# Altium PCB GE21_M1_pku_f100.PcbDoc (part 16 of 19) (continued)
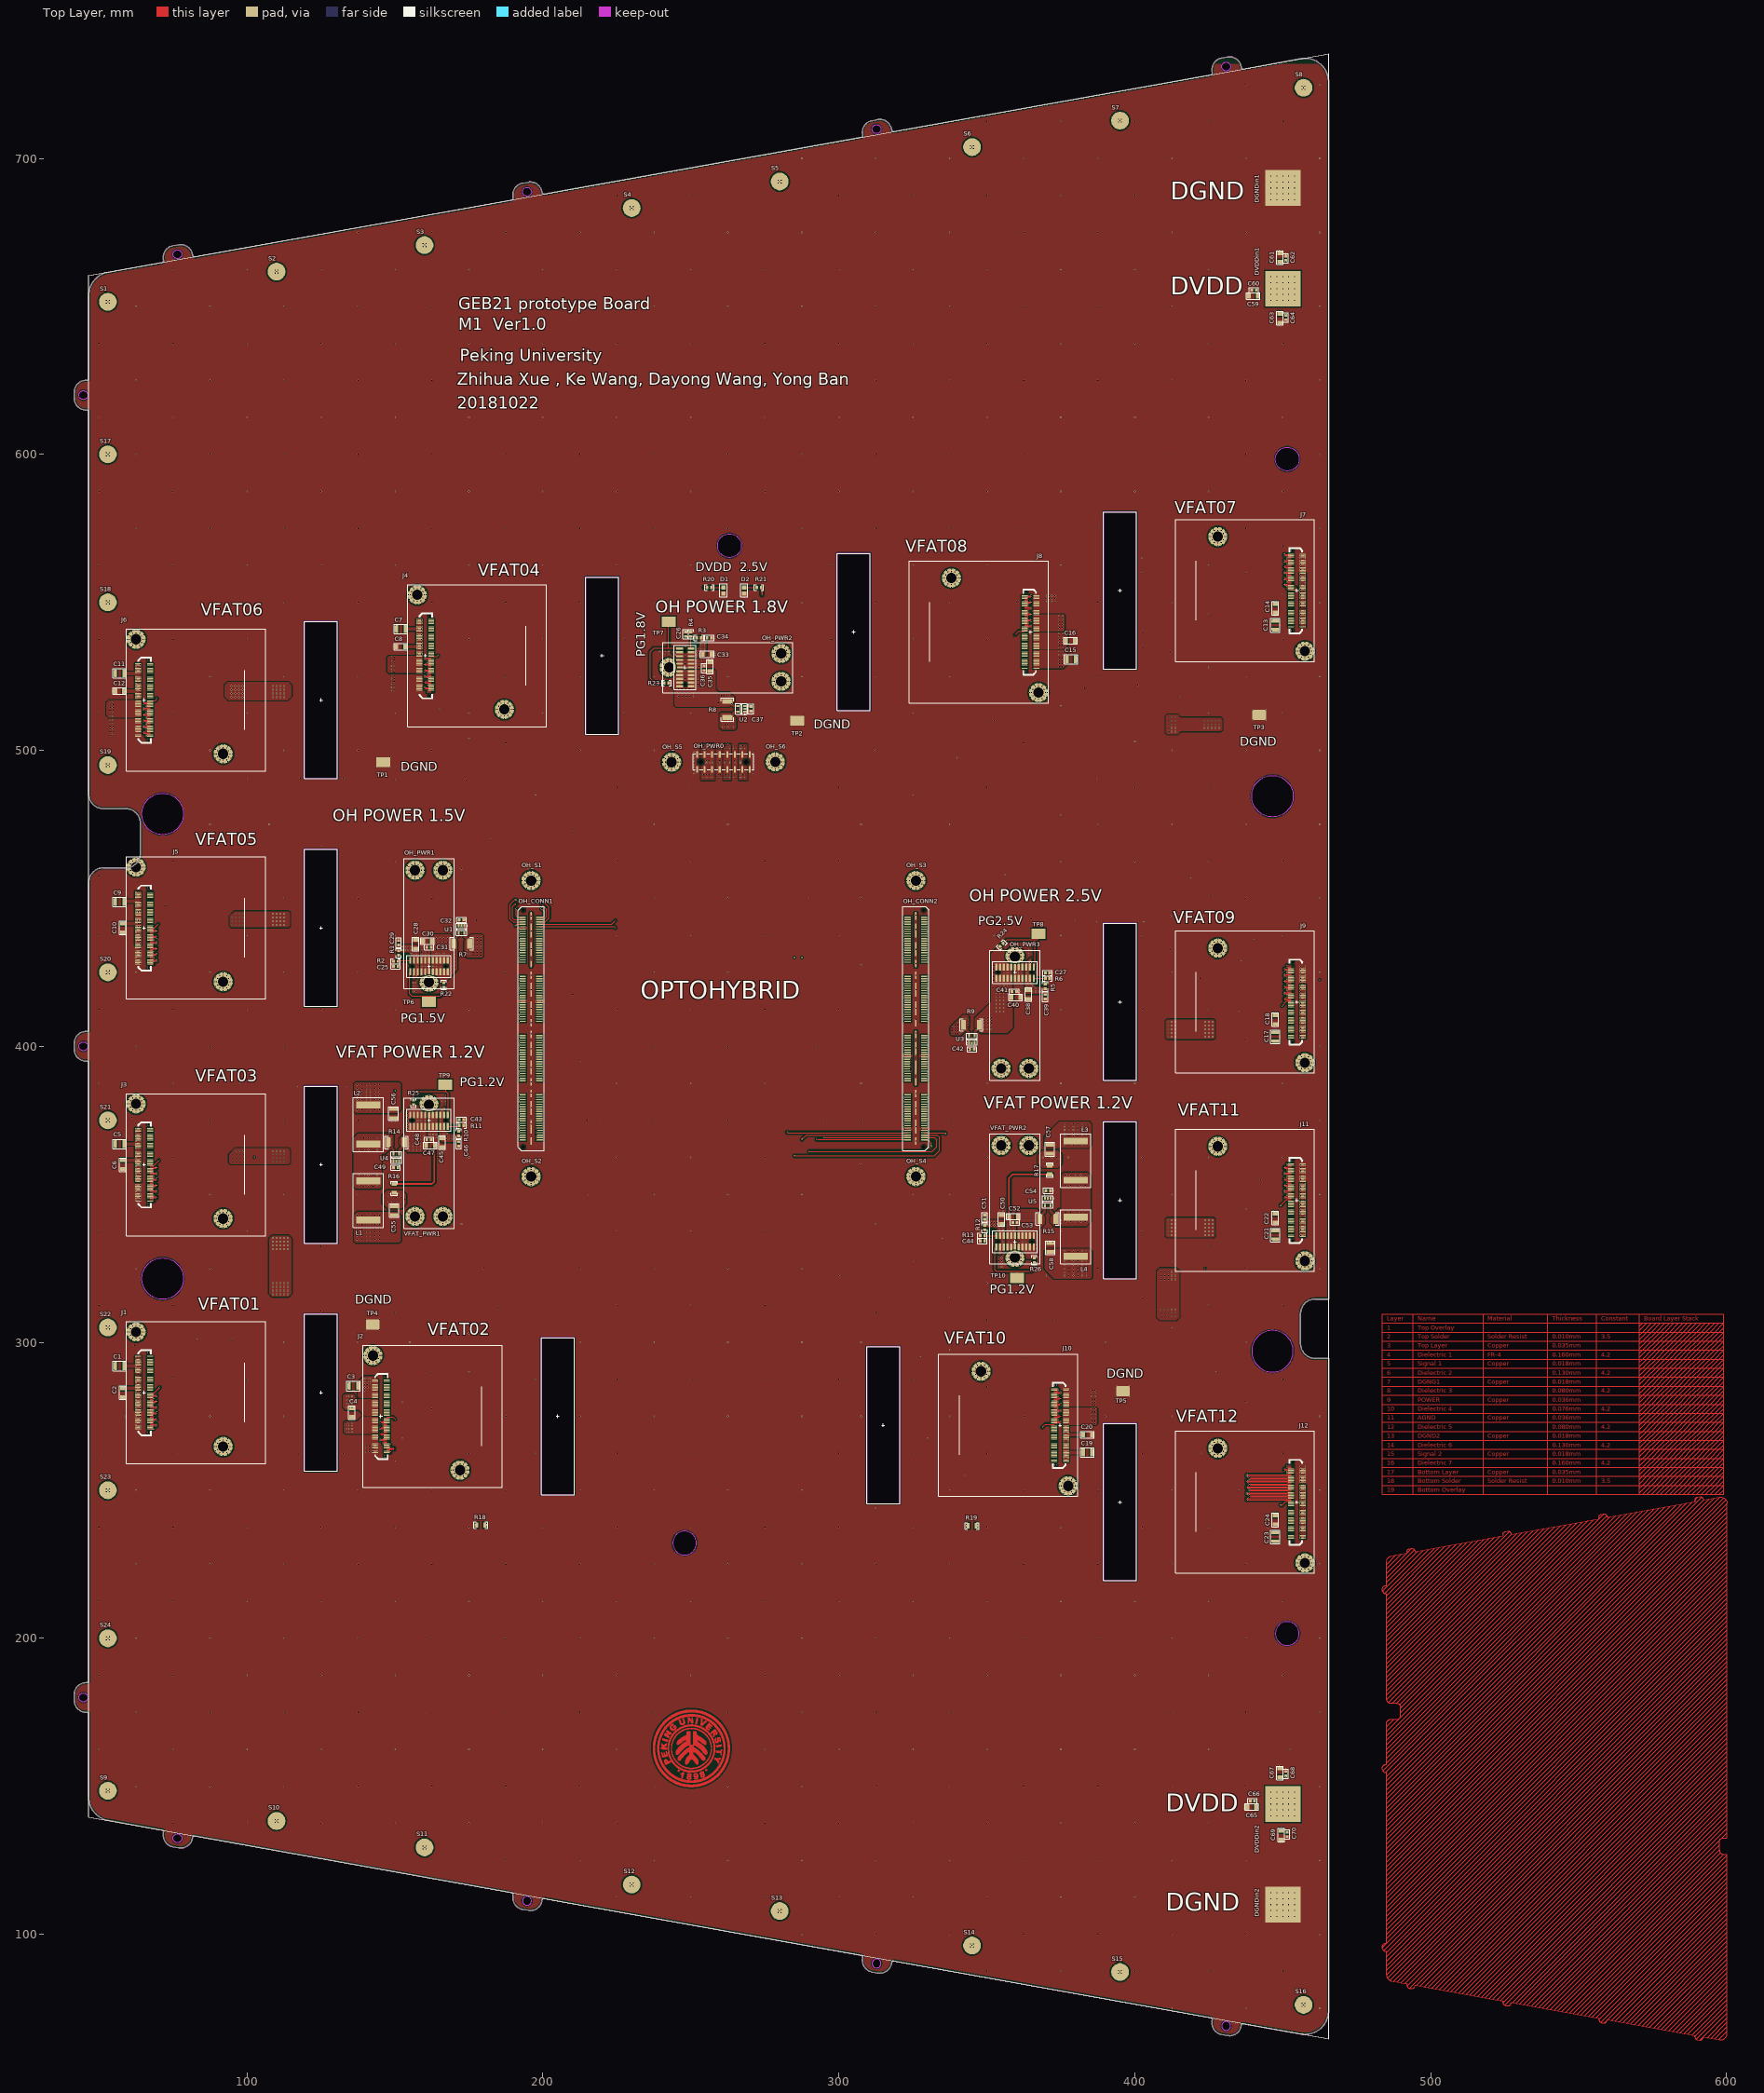
[diagram p0: Top Layer view]
## Nets (pads, with @x,y where several pads share a name; then routed paths per layer and width w, separated by ;. In a path a pad name is that pad's centre, name@x,y a point inside that pad or via, vN(x,y) a via of type N, cw(c..) or ccw(c..) an arc to the next point about the centre after c; other vN are vias at no path point) (continued)
258.942,167.835 ; 257.697,168.14 258.027,168.14 ; 257.697,168.952 258.408,168.952 ; 257.697,170.73 258.561,170.73 ; 257.697,172.585 258.764,172.585 ; 257.722,154.982 258.586,154.982 ; 257.722,161.993 258.129,161.993 ; 257.722,162.018 258.129,162.018 ; 257.722,162.044 258.154,162.044 ; 257.722,162.069 258.154,162.069 ; 257.722,162.094 258.154,162.094 ; 257.722,162.12 258.154,162.12 ; 257.722,162.145 258.154,162.145 ; 257.722,162.171 258.154,162.171 ; 257.722,162.196 258.154,162.196 ; 257.722,163.466 258.154,163.466 ; 257.722,163.491 258.154,163.491 ; 257.722,163.517 258.154,163.517 ; 257.722,163.542 258.154,163.542 ; 257.722,163.568 258.154,163.568 ; 257.722,163.593 258.154,163.593 ; 257.722,163.618 258.154,163.618 ; 257.722,163.644 258.154,163.644 ; 257.722,163.669 258.129,163.669 ; 257.722,163.695 258.129,163.695 ; 257.722,167.86 258.967,167.86 ; 257.722,167.886 258.967,167.886 ; 257.722,167.911 258.967,167.911 ; 257.722,167.936 258.992,167.936 ; 257.722,167.962 258.281,167.962 ; 257.722,167.987 258.23,167.987 ; 257.722,168.089 258.078,168.089 ; 257.722,168.114 258.078,168.114 ; 257.722,168.978 258.408,168.978 ; 257.722,170.705 258.586,170.705 ; 257.748,153.128 258.815,153.128 ; 257.748,155.008 258.611,155.008 ; 257.748,162.221 258.154,162.221 ; 257.748,162.247 258.154,162.247 ; 257.748,162.272 258.154,162.272 ; 257.748,162.298 258.154,162.298 ; 257.748,162.323 258.154,162.323 ; 257.748,162.348 258.154,162.348 ; 257.748,162.374 258.18,162.374 ; 257.748,162.399 258.18,162.399 ; 257.748,162.425 258.18,162.425 ; 257.748,162.45 258.18,162.45 ; 257.748,162.475 258.18,162.475 ; 257.748,162.501 258.18,162.501 ; 257.748,162.526 258.18,162.526 ; 257.748,162.552 258.18,162.552 ; 257.748,162.577 258.18,162.577 ; 257.748,162.602 258.18,162.602 ; 257.748,162.628 258.18,162.628 ; 257.748,162.653 258.18,162.653 ; 257.748,162.679 258.18,162.679 ; 257.748,162.704 258.18,162.704 ; 257.748,162.729 258.18,162.729 ; 257.748,162.755 258.18,162.755 ; 257.748,162.78 258.18,162.78 ; 257.748,162.806 258.18,162.806 ; 257.748,162.831 258.18,162.831 ; 257.748,162.856 258.18,162.856 ; 257.748,162.882 258.18,162.882 ; 257.748,162.907 258.18,162.907 ; 257.748,162.933 258.18,162.933 ; 257.748,162.958 258.18,162.958 ; 257.748,162.983 258.18,162.983 ; 257.748,163.009 258.18,163.009 ; 257.748,163.034 258.18,163.034 ; 257.748,163.06 258.18,163.06 ; 257.748,163.085 258.18,163.085 ; 257.748,163.11 258.18,163.11 ; 257.748,163.136 258.18,163.136 ; 257.748,163.161 258.18,163.161 ; 257.748,163.187 258.18,163.187 ; 257.748,163.212 258.18,163.212 ; 257.748,163.237 258.18,163.237 ; 257.748,163.263 258.18,163.263 ; 257.748,163.288 258.18,163.288 ; 257.748,163.314 258.18,163.314 ; 257.748,163.339 258.154,163.339 ; 257.748,163.364 258.154,163.364 ; 257.748,163.39 258.154,163.39 ; 257.748,163.415 258.154,163.415 ; 257.748,163.441 258.154,163.441 ; 257.748,168.013 258.18,168.013 ; 257.748,168.038 258.129,168.038 ; 257.748,168.063 258.103,168.063 ; 257.748,170.68 258.611,170.68 ; 257.748,172.559 258.815,172.559 ; 257.773,153.154 258.84,153.154 ; 257.773,155.033 258.637,155.033 ; 257.773,169.003 258.383,169.003 ; 257.773,170.654 258.637,170.654 ; 257.773,172.534 258.84,172.534 ; 257.799,153.179 258.865,153.179 ; 257.799,155.059 258.637,155.059 ; 257.799,169.029 258.357,169.029 ; 257.799,170.629 258.637,170.629 ; 257.799,172.508 258.865,172.508 ; 257.824,153.204 258.891,153.204 ; 257.824,155.084 258.662,155.084 ; 257.824,169.054 258.332,169.054 ; 257.824,170.603 258.662,170.603 ; 257.849,155.109 258.688,155.109 ; 257.849,170.578 258.688,170.578 ; 257.849,172.483 258.891,172.483 ; 257.875,153.23 258.916,153.23 ; 257.875,155.135 258.713,155.135 ; 257.875,169.079 258.307,169.079 ; 257.875,172.458 258.916,172.458 ; 257.9,153.255 258.942,153.255 ; 257.9,169.105 258.307,169.105 ; 257.9,170.527 258.738,170.527 ; 257.9,170.553 258.713,170.553 ; 257.9,172.432 258.942,172.432 ; 257.926,153.281 258.967,153.281 ; 257.926,155.16 258.738,155.16 ; 257.926,155.186 258.764,155.186 ; 257.926,169.13 258.281,169.13 ; 257.926,170.502 258.764,170.502 ; 257.926,172.407 258.967,172.407 ; 257.951,153.306 258.992,153.306 ; 257.951,155.211 258.789,155.211 ; 257.951,159.275 259.932,159.275 ; 257.951,159.3 259.958,159.3 ; 257.951,159.326 259.958,159.326 ; 257.951,159.351 259.983,159.351 ; 257.951,170.476 258.789,170.476 ; 257.976,155.236 258.815,155.236 ; 257.976,159.25 259.932,159.25 ; 257.976,159.377 259.983,159.377 ; 257.976,159.402 258.789,159.402 ; 257.976,169.156 258.256,169.156 ; 257.976,170.451 258.815,170.451 ; 257.976,172.381 258.992,172.381 ; 258.002,153.331 259.043,153.331 ; 258.002,155.262 258.84,155.262 ; 258.002,159.224 259.907,159.224 ; 258.002,159.427 258.764,159.427 ; 258.002,159.453 258.688,159.453 ; 258.002,159.478 258.586,159.478 ; 258.002,159.504 258.51,159.504 ; 258.002,169.181 258.23,169.181 ; 258.002,170.426 258.84,170.426 ; 258.002,172.356 259.043,172.356 ; 258.027,153.357 259.069,153.357 ; 258.027,155.287 258.865,155.287 ; 258.027,159.199 259.881,159.199 ; 258.027,159.529 258.459,159.529 ; 258.027,159.554 258.434,159.554 ; 258.027,159.58 258.408,159.58 ; 258.027,159.605 258.281,159.605 ; 258.027,169.206 258.205,169.206 ; 258.027,170.4 258.865,170.4 ; 258.027,172.331 259.069,172.331 ; 258.053,153.382 259.094,153.382 ; 258.053,155.313 258.865,155.313 ; 258.053,159.631 258.23,159.631 ; 258.053,170.375 258.865,170.375 ; 258.053,172.305 259.094,172.305 ; 258.078,153.408 259.119,153.408 ; 258.078,155.338 258.891,155.338 ; 258.078,159.173 259.881,159.173 ; 258.078,159.656 258.205,159.656 ; 258.078,165.752 258.408,165.752 ; 258.078,165.777 258.434,165.777 ; 258.078,165.803 258.459,165.803 ; 258.078,165.828 258.484,165.828 ; 258.078,165.854 258.51,165.854 ; 258.078,165.879 258.561,165.879 ; 258.078,165.904 258.586,165.904 ; 258.078,165.93 258.586,165.93 ; 258.078,169.232 258.205,169.232 ; 258.078,170.349 258.891,170.349 ; 258.078,172.28 259.119,172.28 ; 258.103,153.433 259.145,153.433 ; 258.103,155.363 258.916,155.363 ; 258.103,159.148 259.856,159.148 ; 258.103,165.574 258.332,165.574 ; 258.103,165.6 258.332,165.6 ; 258.103,165.625 258.357,165.625 ; 258.103,165.65 258.357,165.65 ; 258.103,165.676 258.357,165.676 ; 258.103,165.701 258.383,165.701 ; 258.103,165.727 258.383,165.727 ; 258.103,165.955 258.586,165.955 ; 258.103,165.981 258.561,165.981 ; 258.103,166.006 258.561,166.006 ; 258.103,170.324 258.916,170.324 ; 258.129,155.389 258.942,155.389 ; 258.129,165.422 258.383,165.422 ; 258.129,165.447 258.383,165.447 ; 258.129,165.473 258.357,165.473 ; 258.129,165.498 258.357,165.498 ; 258.129,165.523 258.357,165.523 ; 258.129,165.549 258.332,165.549 ; 258.129,166.031 258.535,166.031 ; 258.129,166.057 258.535,166.057 ; 258.129,170.299 258.942,170.299 ; 258.129,172.254 259.145,172.254 ; 258.154,153.458 259.17,153.458 ; 258.154,155.414 258.967,155.414 ; 258.154,165.32 258.459,165.32 ; 258.154,165.346 258.434,165.346 ; 258.154,165.371 258.434,165.371 ; 258.154,165.396 258.408,165.396 ; 258.154,166.082 258.51,166.082 ; 258.154,166.108 258.484,166.108 ; 258.154,170.273 258.967,170.273 ; 258.154,172.229 259.17,172.229 ; 258.18,153.484 259.196,153.484 ; 258.18,155.44 258.992,155.44 ; 258.18,159.123 259.577,159.123 ; 258.18,165.244 258.51,165.244 ; 258.18,165.269 258.51,165.269 ; 258.18,165.295 258.484,165.295 ; 258.18,166.133 258.484,166.133 ; 258.18,166.158 258.459,166.158 ; 258.18,170.248 258.992,170.248 ; 258.18,172.204 259.196,172.204 ; 258.205,153.509 259.221,153.509 ; 258.205,155.465 258.992,155.465 ; 258.205,165.193 258.586,165.193 ; 258.205,165.219 258.535,165.219 ; 258.205,166.184 258.459,166.184 ; 258.205,167.581 258.713,167.581 ; 258.205,170.222 258.992,170.222 ; 258.205,172.178 259.221,172.178 ; 258.23,153.535 259.246,153.535 ; 258.23,155.49 259.018,155.49 ; 258.23,165.142 259.323,165.142 ; 258.23,165.168 258.611,165.168 ; 258.23,166.209 258.459,166.209 ; 258.23,166.235 258.459,166.235 ; 258.23,170.197 259.018,170.197 ; 258.23,172.153 259.246,172.153 ; 258.256,153.56 259.272,153.56 ; 258.256,155.516 259.043,155.516 ; 258.256,159.097 259.424,159.097 ; 258.256,165.092 259.323,165.092 ; 258.256,165.117 259.323,165.117 ; 258.256,166.26 258.459,166.26 ; 258.256,170.172 259.043,170.172 ; 258.256,172.127 259.272,172.127 ; 258.281,153.585 259.297,153.585 ; 258.281,155.541 259.069,155.541 ; 258.281,165.041 259.297,165.041 ; 258.281,165.066 259.297,165.066 ; 258.281,166.285 258.459,166.285 ; 258.281,167.555 258.688,167.555 ; 258.281,168.622 258.662,168.622 ; 258.281,170.146 259.069,170.146 ; 258.281,172.102 259.297,172.102 ; 258.307,153.611 259.323,153.611 ; 258.307,155.567 259.094,155.567 ; 258.307,155.592 259.119,155.592 ; 258.307,165.015 259.272,165.015 ; 258.307,166.311 258.434,166.311 ; 258.307,168.597 258.662,168.597 ; 258.307,170.095 259.119,170.095 ; 258.307,170.121 259.094,170.121 ; 258.307,172.077 259.323,172.077 ; 258.332,155.617 259.119,155.617 ; 258.332,164.99 259.272,164.99 ; 258.332,166.336 258.383,166.336 ; 258.332,167.962 258.992,167.962 ; 258.332,168.546 258.688,168.546 ; 258.332,168.571 258.688,168.571 ; 258.332,170.07 259.119,170.07 ; 258.357,153.636 259.348,153.636 ; 258.357,155.643 259.145,155.643 ; 258.357,159.072 259.348,159.072 ; 258.357,164.939 259.221,164.939 ; 258.357,164.965 259.246,164.965 ; 258.357,168.521 258.713,168.521 ; 258.357,170.045 259.145,170.045 ; 258.357,172.051 259.348,172.051 ; 258.383,153.662 259.373,153.662 ; 258.383,155.668 259.17,155.668 ; 258.383,167.53 258.637,167.53 ; 258.383,167.987 258.992,167.987 ; 258.383,168.444 258.764,168.444 ; 258.383,168.47 258.764,168.47 ; 258.383,168.495 258.738,168.495 ; 258.383,170.019 259.17,170.019 ; 258.383,172.026 259.373,172.026 ; 258.408,153.687 259.399,153.687 ; 258.408,155.694 259.196,155.694 ; 258.408,159.046 259.272,159.046 ; 258.408,164.914 259.221,164.914 ; 258.408,168.013 258.992,168.013 ; 258.408,168.419 258.789,168.419 ; 258.408,169.994 259.196,169.994 ; 258.408,172 259.399,172 ; 258.434,153.712 259.424,153.712 ; 258.434,155.719 259.221,155.719 ; 258.434,164.888 259.196,164.888 ; 258.434,168.038 258.992,168.038 ; 258.434,168.394 258.789,168.394 ; 258.434,169.968 259.221,169.968 ; 258.434,171.975 259.424,171.975 ; 258.459,153.738 259.45,153.738 ; 258.459,155.744 259.221,155.744 ; 258.459,159.021 259.221,159.021 ; 258.459,164.863 259.17,164.863 ; 258.459,168.063 258.992,168.063 ; 258.459,168.368 258.815,168.368 ; 258.459,169.943 259.221,169.943 ; 258.459,171.95 259.45,171.95 ; 258.484,153.763 259.475,153.763 ; 258.484,155.77 259.246,155.77 ; 258.484,155.795 259.272,155.795 ; 258.484,164.838 259.145,164.838 ; 258.484,168.089 258.967,168.089 ; 258.484,168.114 258.967,168.114 ; 258.484,168.343 258.84,168.343 ; 258.484,169.892 259.272,169.892 ; 258.484,169.918 259.246,169.918 ; 258.484,171.924 259.475,171.924 ; 258.51,153.789 259.5,153.789 ; 258.51,155.821 259.297,155.821 ; 258.51,158.996 259.196,158.996 ; 258.51,163.669 260.44,163.669 ; 258.51,163.695 260.44,163.695 ; 258.51,163.72 260.415,163.72 ; 258.51,163.745 260.415,163.745 ; 258.51,168.14 258.967,168.14 ; 258.51,168.165 258.942,168.165 ; 258.51,168.19 258.942,168.19 ; 258.51,168.216 258.916,168.216 ; 258.51,168.241 258.891,168.241 ; 258.51,168.267 258.891,168.267 ; 258.51,168.292 258.865,168.292 ; 258.51,168.317 258.84,168.317 ; 258.51,169.867 259.297,169.867 ; 258.51,171.899 259.5,171.899 ; 258.535,153.814 259.526,153.814 ; 258.535,155.846 259.323,155.846 ; 258.535,158.97 259.145,158.97 ; 258.535,161.561 260.415,161.561 ; 258.535,161.586 260.415,161.586 ; 258.535,161.612 260.415,161.612 ; 258.535,161.688 260.415,161.688 ; 258.535,161.713 260.415,161.713 ; 258.535,161.739 260.415,161.739 ; 258.535,161.764 260.415,161.764 ; 258.535,161.79 260.44,161.79 ; 258.535,161.815 260.44,161.815 ; 258.535,161.84 260.44,161.84 ; 258.535,161.866 260.44,161.866 ; 258.535,161.891 259.678,161.891 ; 258.535,163.568 260.008,163.568 ; 258.535,163.593 260.085,163.593 ; 258.535,163.618 260.389,163.618 ; 258.535,163.644 260.415,163.644 ; 258.535,163.771 260.415,163.771 ; 258.535,163.796 260.415,163.796 ; 258.535,164.812 259.119,164.812 ; 258.535,169.841 259.297,169.841 ; 258.535,171.873 259.526,171.873 ; 258.561,153.839 259.551,153.839 ; 258.561,155.871 259.323,155.871 ; 258.561,158.945 259.145,158.945 ; 258.561,161.637 260.415,161.637 ; 258.561,161.663 260.415,161.663 ; 258.561,161.917 259.5,161.917 ; 258.561,161.942 259.348,161.942 ; 258.561,161.967 259.196,161.967 ; 258.561,163.39 258.865,163.39 ; 258.561,163.415 259.094,163.415 ; 258.561,163.441 259.246,163.441 ; 258.561,163.466 259.399,163.466 ; 258.561,163.491 259.551,163.491 ; 258.561,163.517 259.704,163.517 ; 258.561,163.542 259.831,163.542 ; 258.561,163.822 260.389,163.822 ; 258.561,169.816 259.323,169.816 ; 258.561,171.848 259.551,171.848 ; 258.586,153.865 259.577,153.865 ; 258.586,155.897 259.348,155.897 ; 258.586,158.919 259.145,158.919 ; 258.586,161.993 259.043,161.993 ; 258.586,163.847 260.389,163.847 ; 258.586,169.791 259.348,169.791 ; 258.586,171.823 259.577,171.823 ; 258.611,155.922 259.373,155.922 ; 258.611,155.948 259.399,155.948 ; 258.611,158.894 259.145,158.894 ; 258.611,164.787 259.069,164.787 ; 258.611,169.74 259.399,169.74 ; 258.611,169.765 259.373,169.765 ; 258.637,153.89 259.602,153.89 ; 258.637,155.973 259.399,155.973 ; 258.637,158.869 259.145,158.869 ; 258.637,162.018 258.764,162.018 ; 258.637,169.714 259.399,169.714 ; 258.637,171.797 259.602,171.797 ; 258.662,153.916 259.627,153.916 ; 258.662,155.998 259.424,155.998 ; 258.662,158.843 259.17,158.843 ; 258.662,169.689 259.424,169.689 ; 258.662,171.772 259.627,171.772 ; 258.688,153.941 259.653,153.941 ; 258.688,156.024 259.45,156.024 ; 258.688,158.818 259.17,158.818 ; 258.688,169.664 259.45,169.664 ; 258.688,171.746 259.653,171.746 ; 258.713,153.966 259.678,153.966 ; 258.713,156.049 259.475,156.049 ; 258.713,156.075 259.475,156.075 ; 258.713,158.792 259.196,158.792 ; 258.713,164.761 258.992,164.761 ; 258.713,165.168 259.348,165.168 ; 258.713,169.613 259.475,169.613 ; 258.713,169.638 259.475,169.638 ; 258.713,171.721 259.678,171.721 ; 258.738,153.992 259.704,153.992 ; 258.738,156.1 259.5,156.1 ; 258.738,158.767 259.196,158.767 ; 258.738,163.872 260.389,163.872 ; 258.738,169.587 259.5,169.587 ; 258.738,171.696 259.704,171.696 ; 258.764,154.017 259.704,154.017 ; 258.764,156.125 259.526,156.125 ; 258.764,158.716 259.246,158.716 ; 258.764,158.742 259.221,158.742 ; 258.764,169.562 259.526,169.562 ; 258.764,171.67 259.704,171.67 ; 258.789,154.043 259.729,154.043 ; 258.789,156.151 259.551,156.151 ; 258.789,156.176 259.551,156.176 ; 258.789,158.691 259.272,158.691 ; 258.789,165.193 259.348,165.193 ; 258.789,169.511 259.551,169.511 ; 258.789,169.537 259.551,169.537 ; 258.789,171.645 259.729,171.645 ; 258.815,154.068 259.754,154.068 ; 258.815,156.202 259.577,156.202 ; 258.815,158.64 259.297,158.64 ; 258.815,158.665 259.272,158.665 ; 258.815,165.219 259.348,165.219 ; 258.815,169.486 259.577,169.486 ; 258.815,171.619 259.754,171.619 ; 258.84,154.093 259.78,154.093 ; 258.84,156.227 259.602,156.227 ; 258.84,158.615 259.323,158.615 ; 258.84,165.244 259.348,165.244 ; 258.84,169.46 259.602,169.46 ; 258.84,171.594 259.78,171.594 ; 258.865,154.119 259.805,154.119 ; 258.865,156.252 259.602,156.252 ; 258.865,158.564 259.373,158.564 ; 258.865,158.589 259.348,158.589 ; 258.865,161.536 260.415,161.536 ; 258.865,165.269 259.348,165.269 ; 258.865,169.41 259.627,169.41 ; 258.865,169.435 259.602,169.435 ; 258.865,171.569 259.805,171.569 ; 258.891,154.144 259.831,154.144 ; 258.891,156.278 259.627,156.278 ; 258.891,156.303 259.653,156.303 ; 258.891,158.513 259.399,158.513 ; 258.891,158.538 259.373,158.538 ; 258.891,165.295 259.373,165.295 ; 258.891,169.384 259.653,169.384 ; 258.891,171.543 259.831,171.543 ; 258.916,154.17 259.856,154.17 ; 258.916,156.329 259.653,156.329 ; 258.916,158.488 259.424,158.488 ; 258.916,163.898 260.364,163.898 ; 258.916,165.32 259.373,165.32 ; 258.916,165.346 259.373,165.346 ; 258.916,165.879 259.297,165.879 ; 258.916,165.904 259.297,165.904 ; 258.916,165.93 259.297,165.93 ; 258.916,165.955 259.297,165.955 ; 258.916,165.981 259.323,165.981 ; 258.916,166.006 259.323,166.006 ; 258.916,166.031 259.323,166.031 ; 258.916,166.057 259.348,166.057 ; 258.916,166.082 259.348,166.082 ; 258.916,166.108 259.373,166.108 ; 258.916,166.133 259.424,166.133 ; 258.916,166.158 259.932,166.158 ; 258.916,166.184 259.907,166.184 ; 258.916,166.209 259.907,166.209 ; 258.916,166.235 259.881,166.235 ; 258.916,169.359 259.653,169.359 ; 258.916,171.518 259.856,171.518 ; 258.942,154.195 259.881,154.195 ; 258.942,156.354 259.678,156.354 ; 258.942,158.437 259.45,158.437 ; 258.942,158.462 259.424,158.462 ; 258.942,165.371 259.348,165.371 ; 258.942,165.396 259.348,165.396 ; 258.942,165.422 259.348,165.422 ; 258.942,165.447 259.348,165.447 ; 258.942,165.473 259.348,165.473 ; 258.942,165.498 259.348,165.498 ; 258.942,165.523 259.348,165.523 ; 258.942,165.549 259.323,165.549 ; 258.942,165.574 259.323,165.574 ; 258.942,165.6 259.323,165.6 ; 258.942,165.625 259.323,165.625 ; 258.942,165.65 259.323,165.65 ; 258.942,165.676 259.297,165.676 ; 258.942,165.701 259.297,165.701 ; 258.942,165.727 259.297,165.727 ; 258.942,165.752 259.297,165.752 ; 258.942,165.777 259.297,165.777 ; 258.942,165.803 259.297,165.803 ; 258.942,165.828 259.297,165.828 ; 258.942,165.854 259.297,165.854 ; 258.942,166.26 259.856,166.26 ; 258.942,166.285 259.856,166.285 ; 258.942,166.311 259.831,166.311 ; 258.942,166.336 259.805,166.336 ; 258.942,169.333 259.678,169.333 ; 258.942,171.492 259.881,171.492 ; 258.967,154.22 259.907,154.22 ; 258.967,156.379 259.704,156.379 ; 258.967,156.405 259.704,156.405 ; 258.967,158.411 259.475,158.411 ; 258.967,159.402 260.008,159.402 ; 258.967,166.362 259.78,166.362 ; 258.967,166.387 259.754,166.387 ; 258.967,169.283 259.704,169.283 ; 258.967,169.308 259.704,169.308 ; 258.967,171.467 259.907,171.467 ; 258.992,154.246 259.932,154.246 ; 258.992,156.43 259.729,156.43 ; 258.992,158.361 259.475,158.361 ; 258.992,158.386 259.475,158.386 ; 258.992,166.412 259.729,166.412 ; 258.992,169.257 259.729,169.257 ; 258.992,171.442 259.907,171.442 ; 259.018,154.271 259.932,154.271 ; 259.018,156.456 259.754,156.456 ; 259.018,158.335 259.5,158.335 ; 259.018,161.51 260.389,161.51 ; 259.018,166.438 259.704,166.438 ; 259.018,169.232 259.754,169.232 ; 259.018,171.416 259.932,171.416 ; 259.043,154.297 259.958,154.297 ; 259.043,156.481 259.754,156.481 ; 259.043,156.506 259.78,156.506 ; 259.043,158.284 259.5,158.284 ; 259.043,158.31 259.5,158.31 ; 259.043,166.463 259.678,166.463 ; 259.043,169.181 259.78,169.181 ; 259.043,169.206 259.754,169.206 ; 259.043,171.391 259.958,171.391 ; 259.069,154.322 259.983,154.322 ; 259.069,156.532 259.805,156.532 ; 259.069,158.259 259.5,158.259 ; 259.069,163.923 260.364,163.923 ; 259.069,166.489 259.653,166.489 ; 259.069,169.156 259.805,169.156 ; 259.069,171.365 259.983,171.365 ; 259.094,154.347 260.008,154.347 ; 259.094,156.557 259.805,156.557 ; 259.094,156.583 259.831,156.583 ; 259.094,158.208 259.5,158.208 ; 259.094,158.234 259.5,158.234 ; 259.094,159.427 260.008,159.427 ; 259.094,166.514 259.602,166.514 ; 259.094,169.105 259.831,169.105 ; 259.094,169.13 259.805,169.13 ; 259.094,171.34 260.008,171.34 ; 259.119,154.373 260.034,154.373 ; 259.119,156.608 259.856,156.608 ; 259.119,158.183 259.5,158.183 ; 259.119,166.539 259.551,166.539 ; 259.119,169.079 259.856,169.079 ; 259.119,171.315 260.034,171.315 ; 259.145,154.398 260.059,154.398 ; 259.145,156.633 259.856,156.633 ; 259.145,156.659 259.881,156.659 ; 259.145,158.132 259.475,158.132 ; 259.145,158.157 259.5,158.157 ; 259.145,161.485 260.389,161.485 ; 259.145,169.029 259.881,169.029 ; 259.145,169.054 259.856,169.054 ; 259.145,171.264 260.085,171.264 ; 259.145,171.289 260.059,171.289 ; 259.17,154.424 260.085,154.424 ; 259.17,154.449 260.11,154.449 ; 259.17,156.684 259.907,156.684 ; 259.17,158.081 259.45,158.081 ; 259.17,158.107 259.45,158.107 ; 259.17,169.003 259.907,169.003 ; 259.17,171.238 260.11,171.238 ; 259.196,154.474 260.11,154.474 ; 259.196,156.71 259.907,156.71 ; 259.196,156.735 259.932,156.735 ; 259.196,158.03 259.399,158.03 ; 259.196,158.056 259.424,158.056 ; 259.196,159.453 260.034,159.453 ; 259.196,166.565 259.475,166.565 ; 259.196,168.952 259.932,168.952 ; 259.196,168.978 259.907,168.978 ; 259.196,171.213 260.11,171.213 ; 259.221,154.5 260.135,154.5 ; 259.221,156.76 259.958,156.76 ; 259.221,157.98 259.373,157.98 ; 259.221,158.005 259.399,158.005 ; 259.221,168.927 259.932,168.927 ; 259.221,171.188 260.135,171.188 ; 259.246,154.525 260.161,154.525 ; 259.246,156.786 259.958,156.786 ; 259.246,156.811 259.983,156.811 ; 259.246,157.954 259.373,157.954 ; 259.246,163.949 260.364,163.949 ; 259.246,168.876 259.983,168.876 ; 259.246,168.902 259.958,168.902 ; 259.246,171.162 260.161,171.162 ; 259.272,154.551 260.186,154.551 ; 259.272,156.837 259.983,156.837 ; 259.272,157.903 259.373,157.903 ; 259.272,157.929 259.373,157.929 ; 259.272,161.459 260.389,161.459 ; 259.272,168.851 259.983,168.851 ; 259.272,171.137 260.186,171.137 ; 259.297,154.576 260.212,154.576 ; 259.297,156.862 260.008,156.862 ; 259.297,156.887 260.034,156.887 ; 259.297,168.8 260.034,168.8 ; 259.297,168.825 260.008,168.825 ; 259.297,171.111 260.212,171.111 ; 259.323,154.601 260.237,154.601 ; 259.323,156.913 260.034,156.913 ; 259.323,157.878 259.373,157.878 ; 259.323,159.478 260.034,159.478 ; 259.323,168.775 260.034,168.775 ; 259.323,171.086 260.237,171.086 ; 259.348,154.627 260.237,154.627 ; 259.348,156.938 260.059,156.938 ; 259.348,156.964 260.085,156.964 ; 259.348,157.853 259.373,157.853 ; 259.348,168.724 260.059,168.724 ; 259.348,168.749 260.059,168.749 ; 259.348,171.061 260.237,171.061 ; 259.373,154.652 260.262,154.652 ; 259.373,156.989 260.085,156.989 ; 259.373,168.698 260.085,168.698 ; 259.373,171.01 260.288,171.01 ; 259.373,171.035 260.262,171.035 ; 259.399,154.678 260.288,154.678 ; 259.399,157.014 260.11,157.014 ; 259.399,157.04 260.11,157.04 ; 259.399,161.434 260.389,161.434 ; 259.399,168.648 260.11,168.648 ; 259.399,168.673 260.11,168.673 ; 259.399,170.984 260.313,170.984 ; 259.424,154.703 260.313,154.703 ; 259.424,154.728 260.339,154.728 ; 259.424,157.065 260.135,157.065 ; 259.424,159.504 260.034,159.504 ; 259.424,168.597 260.135,168.597 ; 259.424,168.622 260.135,168.622 ; 259.424,170.959 260.339,170.959 ; 259.45,154.754 260.339,154.754 ; 259.45,157.091 260.135,157.091 ; 259.45,157.116 260.161,157.116 ; 259.45,163.974 260.364,163.974 ; 259.45,168.571 260.161,168.571 ; 259.45,170.934 260.339,170.934 ; 259.475,154.779 260.364,154.779 ; 259.475,157.141 260.186,157.141 ; 259.475,157.167 260.186,157.167 ; 259.475,168.521 260.186,168.521 ; 259.475,168.546 260.186,168.546 ; 259.475,170.908 260.364,170.908 ; 259.5,154.805 260.389,154.805 ; 259.5,157.192 260.212,157.192 ; 259.5,168.495 260.212,168.495 ; 259.5,170.883 260.389,170.883 ; 259.526,154.83 260.415,154.83 ; 259.526,157.218 260.212,157.218 ; 259.526,157.243 260.237,157.243 ; 259.526,166.133 259.932,166.133 ; 259.526,168.444 260.237,168.444 ; 259.526,168.47 260.212,168.47 ; 259.526,170.857 260.415,170.857 ; 259.551,154.855 260.44,154.855 ; 259.551,157.268 260.237,157.268 ; 259.551,157.294 260.262,157.294 ; 259.551,159.529 260.034,159.529 ; 259.551,168.394 260.262,168.394 ; 259.551,168.419 260.237,168.419 ; 259.551,170.807 260.44,170.807 ; 259.551,170.832 260.44,170.832 ; 259.577,154.881 260.44,154.881 ; 259.577,154.906 260.466,154.906 ; 259.577,157.319 260.262,157.319 ; 259.577,161.409 260.389,161.409 ; 259.577,168.368 260.262,168.368 ; 259.577,170.781 260.466,170.781 ; 259.602,154.932 260.491,154.932 ; 259.602,157.345 260.288,157.345 ; 259.602,157.37 260.313,157.37 ; 259.602,168.317 260.313,168.317 ; 259.602,168.343 260.288,168.343 ; 259.602,170.756 260.491,170.756 ; 259.627,154.957 260.516,154.957 ; 259.627,157.395 260.313,157.395 ; 259.627,157.421 260.339,157.421 ; 259.627,165.473 260.034,165.473 ; 259.627,165.498 260.034,165.498 ; 259.627,165.523 260.059,165.523 ; 259.627,166.108 259.932,166.108 ; 259.627,168.267 260.339,168.267 ; 259.627,168.292 260.313,168.292 ; 259.627,170.73 260.516,170.73 ; 259.653,154.982 260.516,154.982 ; 259.653,157.446 260.339,157.446 ; 259.653,165.447 260.034,165.447 ; 259.653,165.549 260.059,165.549 ; 259.653,166.082 259.958,166.082 ; 259.653,168.241 260.339,168.241 ; 259.653,170.705 260.516,170.705 ; 259.678,155.008 260.542,155.008 ; 259.678,157.472 260.364,157.472 ; 259.678,157.497 260.364,157.497 ; 259.678,165.396 260.008,165.396 ; 259.678,165.422 260.034,165.422 ; 259.678,165.574 260.059,165.574 ; 259.678,165.6 260.059,165.6 ; 259.678,168.19 260.364,168.19 ; 259.678,168.216 260.364,168.216 ; 259.678,170.68 260.542,170.68 ; 259.704,155.033 260.567,155.033 ; 259.704,157.522 260.389,157.522 ; 259.704,157.548 260.389,157.548 ; 259.704,159.554 260.034,159.554 ; 259.704,165.244 259.932,165.244 ; 259.704,165.269 259.958,165.269 ; 259.704,165.295 259.958,165.295 ; 259.704,165.32 259.983,165.32 ; 259.704,165.346 259.983,165.346 ; 259.704,165.371 260.008,165.371 ; 259.704,165.625 260.059,165.625 ; 259.704,165.65 260.059,165.65 ; 259.704,166.031 259.983,166.031 ; 259.704,166.057 259.958,166.057 ; 259.704,168.14 260.389,168.14 ; 259.704,168.165 260.389,168.165 ; 259.704,170.654 260.567,170.654 ; 259.729,155.059 260.593,155.059 ; 259.729,155.084 260.593,155.084 ; 259.729,157.573 260.415,157.573 ; 259.729,157.599 260.415,157.599 ; 259.729,165.142 259.831,165.142 ; 259.729,165.168 259.856,165.168 ; 259.729,165.193 259.881,165.193 ; 259.729,165.219 259.907,165.219 ; 259.729,165.676 260.059,165.676 ; 259.729,165.701 260.059,165.701 ; 259.729,165.727 260.034,165.727 ; 259.729,165.752 260.034,165.752 ; 259.729,165.777 260.034,165.777 ; 259.729,165.803 260.034,165.803 ; 259.729,165.828 260.034,165.828 ; 259.729,165.854 260.034,165.854 ; 259.729,165.879 260.008,165.879 ; 259.729,165.904 260.008,165.904 ; 259.729,165.93 260.008,165.93 ; 259.729,165.955 259.983,165.955 ; 259.729,165.981 259.983,165.981 ; 259.729,166.006 259.983,166.006 ; 259.729,168.089 260.415,168.089 ; 259.729,168.114 260.415,168.114 ; 259.729,170.603 260.593,170.603 ; 259.729,170.629 260.593,170.629 ; 259.754,155.109 260.618,155.109 ; 259.754,157.624 260.44,157.624 ; 259.754,157.649 260.44,157.649 ; 259.754,168.038 260.44,168.038 ; 259.754,168.063 260.44,168.063 ; 259.754,170.578 260.618,170.578 ; 259.78,155.135 260.643,155.135 ; 259.78,157.675 260.466,157.675 ; 259.78,163.999 260.339,163.999 ; 259.78,167.987 260.466,167.987 ; 259.78,168.013 260.466,168.013 ; 259.78,170.553 260.643,170.553 ; 259.805,155.16 260.669,155.16 ; 259.805,157.7 260.466,157.7 ; 259.805,157.726 260.491,157.726 ; 259.805,167.936 260.491,167.936 ; 259.805,167.962 260.491,167.962 ; 259.805,170.527 260.669,170.527 ; 259.831,155.186 260.669,155.186 ; 259.831,155.211 260.694,155.211 ; 259.831,157.751 260.491,157.751 ; 259.831,157.776 260.516,157.776 ; 259.831,167.911 260.516,167.911 ; 259.831,170.476 260.694,170.476 ; 259.831,170.502 260.669,170.502 ; 259.856,155.236 260.72,155.236 ; 259.856,157.802 260.516,157.802 ; 259.856,157.827 260.542,157.827 ; 259.856,159.58 260.034,159.58 ; 259.856,164.025 260.339,164.025 ; 259.856,167.86 260.542,167.86 ; 259.856,167.886 260.516,167.886 ; 259.856,170.451 260.72,170.451 ; 259.881,155.262 260.745,155.262 ; 259.881,157.853 260.542,157.853 ; 259.881,157.878 260.567,157.878 ; 259.881,161.383 260.389,161.383 ; 259.881,167.809 260.567,167.809 ; 259.881,167.835 260.542,167.835 ; 259.881,170.426 260.745,170.426 ; 259.907,155.287 260.745,155.287 ; 259.907,155.313 260.77,155.313 ; 259.907,157.903 260.567,157.903 ; 259.907,157.929 260.593,157.929 ; 259.907,167.759 260.593,167.759 ; 259.907,167.784 260.567,167.784 ; 259.907,170.375 260.77,170.375 ; 259.907,170.4 260.745,170.4 ; 259.932,155.338 260.796,155.338 ; 259.932,157.954 260.593,157.954 ; 259.932,157.98 260.618,157.98 ; 259.932,161.358 260.389,161.358 ; 259.932,167.708 260.618,167.708 ; 259.932,167.733 260.593,167.733 ; 259.932,170.349 260.796,170.349 ; 259.958,155.363 260.796,155.363 ; 259.958,158.005 260.618,158.005 ; 259.958,158.03 260.643,158.03 ; 259.958,161.307 260.389,161.307